# Altium PCB PCB2.PcbDoc (continued)
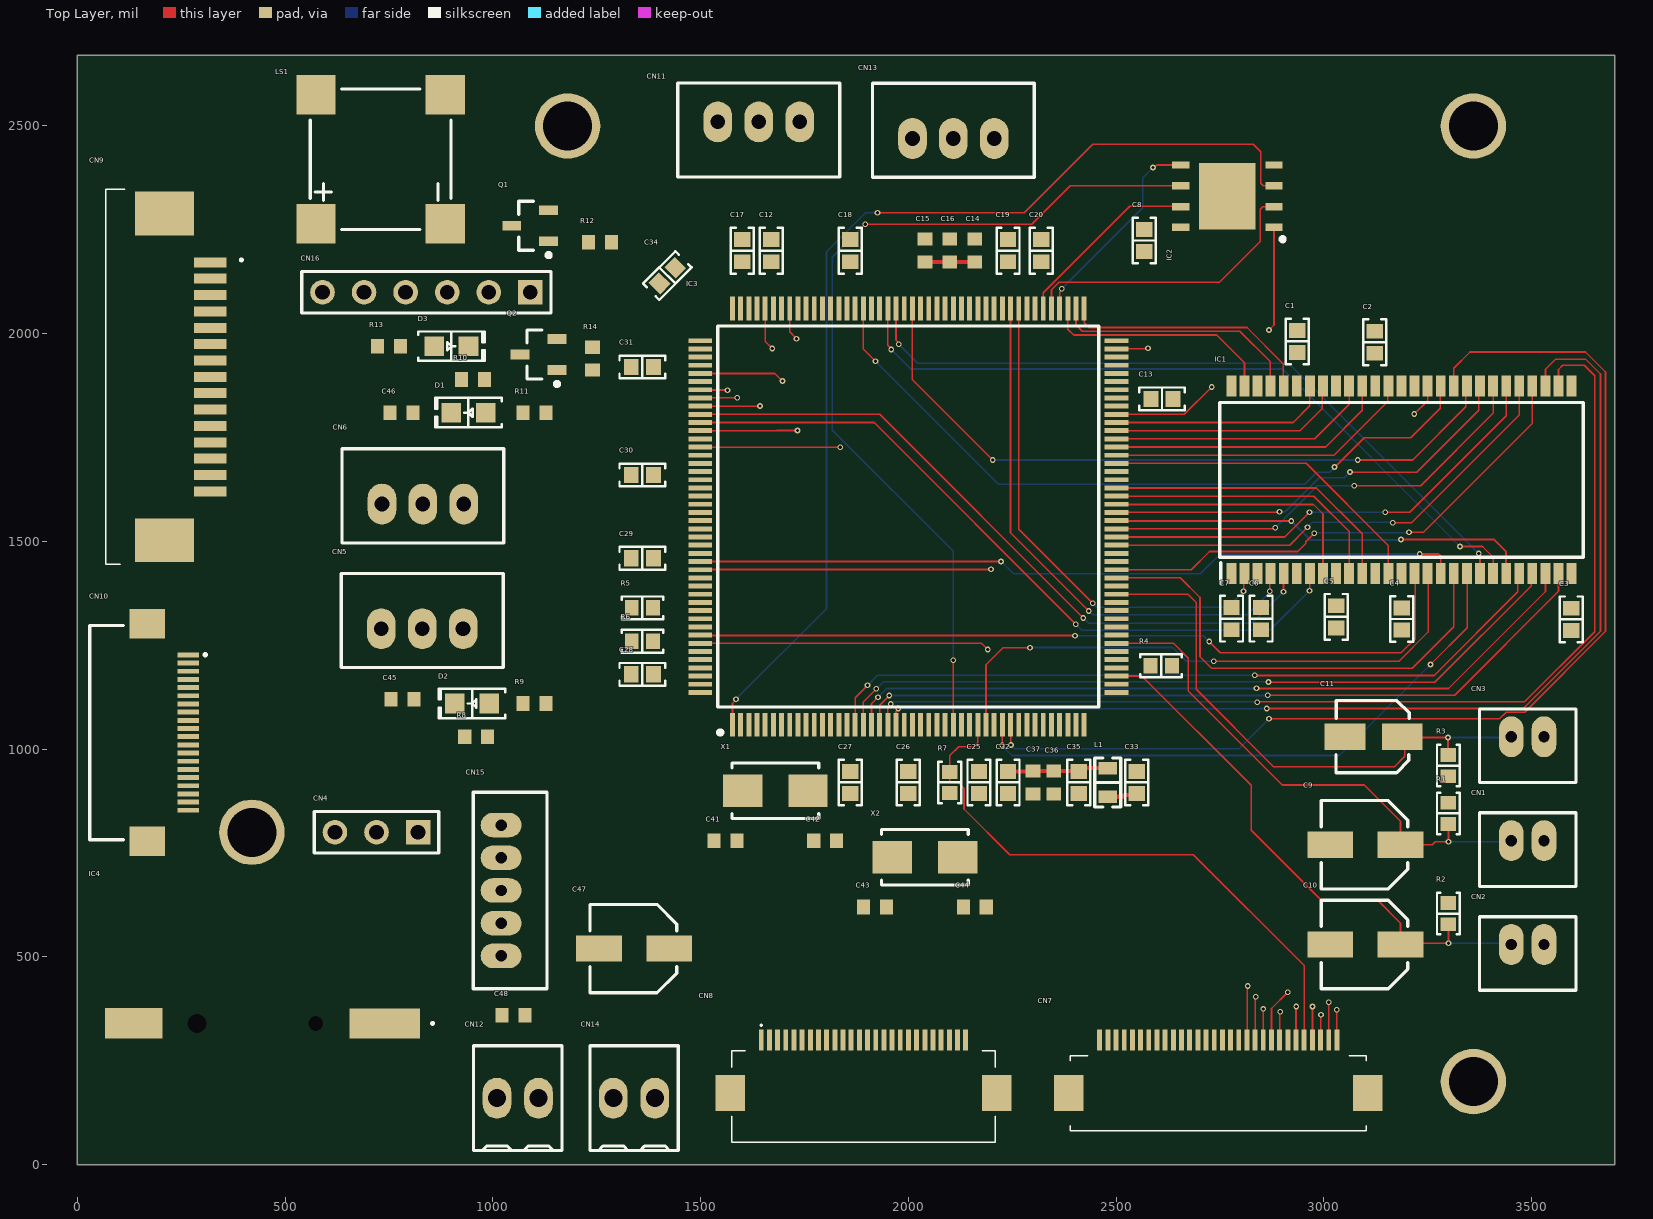
[diagram p0: Top Layer view]
## Part data (continued)
IC3: "Integrated Circuit", Manufacturer_Name=STMicroelectronics, Mouser Part Number=511-STM32F779IIT6, Arrow Part Number=STM32F779IIT6, Arrow Price/Stock=https://www.arrow.com/en/products/stm32f779iit6/stmicroelectronics?region=nac, Datasheet Link=https://www.arrow.com/en/products/stm32f779iit6/stmicroelectronics, Height=1.6mm, Manufacturer_Part_Number=STM32F779IIT6, Mouser Price/Stock=https://www.mouser.co.uk/ProductDetail/STMicroelectronics/STM32F779IIT6?qs=qzCNEk%252BRr%252BabClKc4EG9PA%3D%3D
IC4: "Integrated Circuit", Manufacturer_Name=ROBOTIS, Datasheet Link=https://www.robotics.org.za/CR1220-H-SMD, Height=4.1mm, Manufacturer_Part_Number=CR1220-H-SMD
L1: library part 744917127, "FIXED IND 27NH 780MA 200 MOHM", Current Rating (Amps)=780mA, DC Resistance (DCR)="200mOhm Max", Device Package="0603 (1608 Metric)", Frequency - Self Resonant=2.8GHz, Inductance=27nH, Inductance Frequency - Test=250MHz, manufacturer="Würth Elektronik", Operating Temperature="-40°C ~ 125°C", Q @ Freq="35 @ 250MHz", Supplier Part Number 1=732-11279-1-ND, Tolerance=±2%, componentlink1description=Datasheet, componentlink1url=https://katalog.we-online.de/pbs/datasheet/744917127.pdf, componentlink2description="DigiKey Link", componentlink2url=http://digikey.com/product-detail/en/w-rth-elektronik/744917127/732-11279-1-ND/6833738, Height - Seated (Max)="0.043\" (1.10mm)", lastupdated="9/6/2020 11:05:16 AM", Lifecycle Status=Active, Material - Core=Ceramic, Minimum Order=0, Mounting Type="Surface Mount", Package / Case="0603 (1608 Metric)", packaging=TapeAndReel, Part Number=744917127, Part Status=Active, partid=832, price=0.46, series="WE-KI HC", Shielding=Unshielded, Size / Dimension="0.067\" L x 0.043\" W (1.70mm x 1.10mm)", Supplier 1=DigiKey, Supplier Device Package="0603 (1608 Metric)", Type=Wirewound
LS1: "AUDIO MAGNETIC XDCR 2.5-4.5V SMD", Current - Supply=90mA, Frequency=2.7kHz, manufacturer="PUI Audio, Inc.", Operating Mode="Single Tone", Operating Temperature="-30°C ~ 70°C", Supplier Part Number 1=668-1072-1-ND, Voltage - Rated=3.6V, Voltage Range="2.5 ~ 4.5V", componentlink1description=Datasheet, componentlink1url=http://www.puiaudio.com/pdf/SMT-0827-S-2-R.pdf, componentlink2description="DigiKey Link", componentlink2url=http://digikey.com/product-detail/en/pui-audio-inc/SMT-0827-S-2-R/668-1072-1-ND/1464939, Driver Circuitry="Transducer, Externally Driven", Height - Seated (Max)="0.177\" (4.50mm)", Input Type="Zero-Peak Signal", lastupdated="4/24/2020 12:38:09 AM", Lifecycle Status=Active, Minimum Order=1, Mounting Type="Surface Mount", packaging=TapeAndReel, Part Number=SMT-0827-S-2-R, Part Status=Active, Port Location=Side, price=2.03, series=SMT, Size / Dimension="0.335\" L x 0.335\" W (8.50mm x 8.50mm)", Sound Pressure Level (SPL)="92dB @ 3.6V, 10cm", Supplier 1=DigiKey, Technology=Magnetic, Termination="Solder Pads"
Q1 Q2: library part MMBT3904TT1G, "TRANS NPN 40V 0.2A SOT416", Current - Collector (Ic) (Max)=200mA, DC Current Gain (hFE) (Min) @ Ic, Vce="100 @ 10mA, 1V", Frequency - Transition=300MHz, manufacturer="ON Semiconductor", Operating Temperature="-55°C ~ 150°C (TJ)", Package / Case="SC-75, SOT-416", Power - Max=300mW, Supplier Part Number 1=MMBT3904TT1GOSCT-ND, Voltage - Collector Emitter Breakdown (Max)=40V, componentlink1description=Datasheet, componentlink1url=https://www.onsemi.com/pub/Collateral/MMBT3904TT1-D.PDF, componentlink2description="DigiKey Link", componentlink2url=http://digikey.com/product-detail/en/on-semiconductor/MMBT3904TT1G/MMBT3904TT1GOSCT-ND/1139815, lastupdated="2/1/2023 9:06:25 PM", Lifecycle Status=Active, Minimum Order=1, Mounting Type="Surface Mount", packaging=TapeAndReel, Part Number=MMBT3904TT1G, Part Status=Active, partid=34, price=0.02, series=-, Supplier 1=DigiKey, Supplier Device Package="SC-75, SOT-416", Transistor Type=NPN, Vce Saturation (Max) @ Ib, Ic="300mV @ 5mA, 50mA"
R1 R2: library part RS73G1JTTD4701B, "RES 4.7K OHM 0.1% 1/5W 0603", Device Package="0603 (1608 Metric)", manufacturer="KOA Speer Electronics, Inc.", Operating Temperature="-55°C ~ 155°C", Power (Watts)="0.2W, 1/5W", Ratings=AEC-Q200, Supplier Device Package=0603, Supplier Part Number 1=2019-RS73G1JTTD4701BCT-ND, Temperature Coefficient=±50ppm/°C, Tolerance=±0.1%, componentlink1description=Datasheet, componentlink1url=http://www.koaspeer.com/pdfs/RS73.pdf, componentlink2description="DigiKey Link", componentlink2url=https://www.digikey.com/en/products/detail/koa-speer-electronics-inc/RS73G1JTTD4701B/11594383, Composition="Thick Film", Features="Automotive AEC-Q200, Moisture Resistant", Height - Seated (Max)="0.022\" (0.55mm)", lastupdated="4/17/2023 7:36:04 PM", Lifecycle Status=Active, Minimum Order=1, Number of Terminations=2, Package / Case="0603 (1608 Metric)", packaging=TapeAndReel, Part Number=RS73G1JTTD4701B, Part Status=Active, partid=56376, price=0.08, Resistance="4.7 kOhms", series=RS73, Size / Dimension="0.063\" L x 0.031\" W (1.60mm x 0.80mm)", Supplier 1=DigiKey
R3: library part RS73G1JTTD2201B, "RES 2.2K OHM 0.1% 1/5W 0603", Device Package="0603 (1608 Metric)", manufacturer="KOA Speer Electronics, Inc.", Operating Temperature="-55°C ~ 155°C", Power (Watts)="0.2W, 1/5W", Ratings=AEC-Q200, Supplier Device Package=0603, Supplier Part Number 1=2019-RS73G1JTTD2201BCT-ND, Temperature Coefficient=±50ppm/°C, Tolerance=±0.1%, componentlink1description=Datasheet, componentlink1url=https://www.koaspeer.com/pdfs/RS73.pdf, componentlink2description="DigiKey Link", componentlink2url=https://www.digikey.com/en/products/detail/koa-speer-electronics-inc/RS73G1JTTD2201B/11592705, Composition="Thick Film", Features="Automotive AEC-Q200, Moisture Resistant", Height - Seated (Max)="0.022\" (0.55mm)", lastupdated="4/17/2023 7:35:13 PM", Lifecycle Status=Active, Minimum Order=1, Number of Terminations=2, Package / Case="0603 (1608 Metric)", packaging=TapeAndReel, Part Number=RS73G1JTTD2201B, Part Status=Active, partid=70678, price=0.08, Resistance="2.2 kOhms", series=RS73, Size / Dimension="0.063\" L x 0.031\" W (1.60mm x 0.80mm)", Supplier 1=DigiKey
R4 R5 R6 R7: library part RC0603FR-7W10KL, "RES 10K OHM 1% 1/5W 0603", Device Package="0603 (1608 Metric)", manufacturer=Yageo, Operating Temperature="-55°C ~ 155°C", Power (Watts)="0.2W, 1/5W", Resistance="10 kOhms", Supplier Device Package=0603, Supplier Part Number 1=13-RC0603FR-7W10KLCT-ND, Temperature Coefficient=±200ppm/°C, Tolerance=±1%, componentlink1description=Datasheet, componentlink1url=https://www.yageo.com/upload/media/product/productsearch/datasheet/rchip/PYu-RC_Group_51_RoHS_L_11.pdf, componentlink2description="DigiKey Link", componentlink2url=https://www.digikey.com/en/products/detail/yageo/RC0603FR-7W10KL/12698809, Composition="Thick Film", Features="Moisture Resistant", Height - Seated (Max)="0.022\" (0.55mm)", lastupdated="4/8/2023 7:28:57 PM", Lifecycle Status=Active, Minimum Order=1, Number of Terminations=2, Package / Case="0603 (1608 Metric)", packaging=CutTape, Part Number=RC0603FR-7W10KL, Part Status=Active, partid=67088, price=0.01, series=RC_L, Size / Dimension="0.063\" L x 0.031\" W (1.60mm x 0.80mm)", Supplier 1=DigiKey
R8 R9 R10 R11 R12 R13 R14: "Resistor", LatestRevisionDate=17-Jul-2002, LatestRevisionNote="Re-released for DXP Platform.", PackageDescription="Axial Device, Thru-Hole; 2 Leads; 0.3 in Pin Spacing", PackageReference=AXIAL-0.3, Published=8-Jun-2000, Publisher="Altium Limited"
X1: library part NX5032GA-25.000000MHZ-LN-CD-1, "CRYSTAL 25.0000MHZ 8PF SMD", ESR (Equivalent Series Resistance)="70 Ohms", Frequency="25 MHz", Frequency Stability=±50ppm, Load Capacitance=8pF, manufacturer="NDK America, Inc.", Operating Mode=Fundamental, Operating Temperature="-10°C ~ 70°C", Package / Case="2-SMD, No Lead", Supplier Part Number 1=644-1041-1-ND, componentlink1description=Datasheet, componentlink1url=//media.digikey.com/pdf/Data%20Sheets/NDK%20PDFs/NX5032GA.pdf, componentlink2description="DigiKey Link", componentlink2url=https://www.digikey.com/en/products/detail/ndk-america-inc/NX5032GA-25-000000MHZ-LN-CD-1/1128823, Frequency Tolerance=±50ppm, Height - Seated (Max)="0.059\" (1.50mm)", lastupdated="3/28/2023 8:00:45 PM", Lifecycle Status=Active, Minimum Order=1, Mounting Type="Surface Mount", packaging=TapeAndReel, Part Number=NX5032GA-25.000000MHZ-LN-CD-1, Part Status=Active, partid=621, price=0.28, series=NX5032GA, Size / Dimension="0.197\" L x 0.126\" W (5.00mm x 3.20mm)", Supplier 1=DigiKey, Type="MHz Crystal"
X2: library part NX5032GA-25.000000MHZ-LN-CD-1, "CRYSTAL 25.0000MHZ 8PF SMD", ESR (Equivalent Series Resistance)="70 Ohms", Frequency Stability=±50ppm, Load Capacitance=8pF, manufacturer="NDK America, Inc.", Operating Mode=Fundamental, Operating Temperature="-10°C ~ 70°C", Package / Case="2-SMD, No Lead", Supplier Part Number 1=644-1041-1-ND, componentlink1description=Datasheet, componentlink1url=//media.digikey.com/pdf/Data%20Sheets/NDK%20PDFs/NX5032GA.pdf, componentlink2description="DigiKey Link", componentlink2url=https://www.digikey.com/en/products/detail/ndk-america-inc/NX5032GA-25-000000MHZ-LN-CD-1/1128823, Frequency="25 MHz", Frequency Tolerance=±50ppm, Height - Seated (Max)="0.059\" (1.50mm)", lastupdated="3/28/2023 8:00:45 PM", Lifecycle Status=Active, Minimum Order=1, Mounting Type="Surface Mount", packaging=TapeAndReel, Part Number=NX5032GA-25.000000MHZ-LN-CD-1, Part Status=Active, partid=621, price=0.28, series=NX5032GA, Size / Dimension="0.197\" L x 0.126\" W (5.00mm x 3.20mm)", Supplier 1=DigiKey, Type="MHz Crystal"

## Free pads (board coordinates)
  round 157.48 hole 118.11: 2(3360,200) 3(3360,2500) 4(1180,2500) 5(420,800)

## Via types
v1: diameter 13.78, hole 7.87, Top Layer to Bottom Layer, 83 vias

## Nets (pads, with @x,y where several pads share a name; then routed paths per layer and width w, separated by ;. In a path a pad name is that pad's centre, name@x,y a point inside that pad or via, vN(x,y) a via of type N, cw(c..) or ccw(c..) an arc to the next point about the centre after c; other vN are vias at no path point)
3V3: C1.2 C2.2 C3.2 C4.2 C5.2 C6.2 C7.2 C8.2 C17.2 C18.2 C19.2 C20.2 C21.2 C22.2 C23.2 C24.2 C25.2 C26.2 C27.2 C28.2 C29.2 C30.2 C31.2 C33.2 C34.2 C47.1 CN4.1 CN5.1 CN6.1 CN9.14 CN9.15 CN10.1 CN11.1 CN13.1 CN14.1 CN16.1 IC1.1 IC1.3 IC1.9 IC1.14 IC1.27 IC1.43 IC1.49 IC2.8 IC3.15 IC3.23 IC3.36 IC3.49 IC3.62 IC3.72 IC3.82 IC3.96 IC3.99 IC3.118 IC3.131 IC3.136 IC3.149 IC3.159 IC3.172 L1.2 LS1.+ R1.2 R2.2 R3.2 R6.1 R7.2 R8.1 R9.1 R10.1 R11.1 R13.1 | length 86.1
  Top Layer w10: C18.2@1852.36,2165.79 C18.2 ; L1.2 2515.55,885.55 2520,890 2550,890 C33.2
5V: C48.1 CN12.1 CN15.2
\C\A\S\: IC1.17 IC3.160 | length 1859.3
  Top Layer w4: IC3.160 1499.15,1451.87 2222.87,1451.87 v1(2223,1452) ; v1(3231,1470) 3277,1470 3281.46,1465.54 IC1.17
  Bottom Layer w4: v1(2223,1452) 2253,1422 2703,1422 2751,1470 v1(3231,1470)
\C\S\: IC1.19 IC3.34 | length 1437.7
  Top Layer w4: v1(2226,1009) 2226.19,1009.19 2226.19,1058.83 IC3.34 ; v1(3257,1204) 3345,1292 3345,1419 3344.46,1419.54 IC1.19
  Bottom Layer w4: v1(2226,1009) 2226,1008.68 2249.68,985 3038,985 v1(3257,1204)
\R\A\S\: IC1.18 IC3.59 | length 1154.8
  Top Layer w4: IC3.59 2654.64,1412.36 2702,1365 2702,1222.68 2729.68,1195 3213,1195 3312.96,1294.96 IC1.18
\W\E\: IC1.16 IC3.32 | length 1421.2
  Top Layer w4: IC3.32 2187.01,1203.01 2228,1244 v1(2293,1244) ; v1(2735,1212) 3181,1212 3251,1282 3251,1429 3249.97,1427.97 IC1.16
  Bottom Layer w4: v1(2293,1244) 2293.69,1244.69 2636.31,1244.69 2669,1212 v1(2735,1212)
A0: IC1.23 IC3.16 | length 1812.3
  Top Layer w4: IC3.16 1872.05,1124.05 v1(1902,1154) ; v1(2834,1178.05) 2834.52,1177.53 3265.53,1177.53 3467,1379 3467,1420 3470.44,1423.44 IC1.23
  Bottom Layer w4: v1(1902,1154) 1926,1178 v1(2834,1178.05) v1(2834,1178.05)
A1: IC1.24 IC3.17 | length 1810.1
  Top Layer w4: IC3.17 1891.73,1113.73 1922.95,1144.95 v1(1922.95,1145.27) ; v1(2867,1161.75) 2867.75,1161 3267,1161 3499,1393 3499,1420 3501.94,1422.94 IC1.24
  Bottom Layer w4: v1(1922.95,1145.27) 1923.27,1145.27 1940.27,1162.27 2866.48,1162.27 v1(2867,1161.75)
A2: IC1.25 IC3.18 | length 1828.3
  Top Layer w4: IC3.18 1911.42,1109.42 v1(1927,1125) ; v1(2838.29,1146.49) 2838.81,1145.97 3299.97,1145.97 3533.43,1379.43 IC1.25
  Bottom Layer w4: v1(1927,1125) 1947.97,1145.97 2837.77,1145.97 v1(2838.29,1146.49)
A3: IC1.26 IC3.19 | length 1837.7
  Top Layer w4: IC3.19 1931.1,1106.1 1953.94,1128.94 v1(1953.94,1129.29) ; v1(2864.93,1130.14) 3315.14,1130.14 3564.93,1379.93 IC1.26
  Bottom Layer w4: v1(1953.94,1129.29) 1954.11,1129.12 2863.91,1129.12 v1(2864.93,1130.14)
A4: IC1.29 IC3.20 | length 2577.2
  Top Layer w4: IC3.20 1950.79,1098.91 1954.26,1102.39 1954.26,1102.73 1957.88,1106.35 v1(1957.88,1109) ; v1(2840,1113.34) 2840.66,1114 3483,1114 3652,1283 3652,1899 3627,1924 3575,1924 3564.93,1913.93 IC1.29
  Bottom Layer w4: v1(1957.88,1109) 1960.11,1109 1965.12,1114 2839.34,1114 v1(2840,1113.34)
A5: IC1.30 IC3.21 | length 2625.9
  Top Layer w4: IC3.21 1970.47,1091.36 1975.52,1096.41 v1(1975.52,1098.22) ; v1(2863,1098) 3479.73,1098 3666,1284.27 3666,1903 3630,1939 3558,1939 3533.43,1914.43 IC1.30
  Bottom Layer w4: v1@1975.74,1098 2413.07,1098 2413.51,1097.56 2846.54,1097.56 2846.97,1098 v1(2863,1098)
A6: IC1.31 IC3.60 | length 1241.5
  Top Layer w4: IC3.60 2681.05,1432.05 2725,1476 2937,1476 2956.17,1495.17 2956.17,1498.95 v1(2977.22,1520) ; v1(3205,1522) 3240,1522 3501.94,1783.94 IC1.31
  Bottom Layer w4: v1(2977.22,1520) 2978,1520 2982,1524 2985,1521 3204,1521 v1(3205,1522)
A7: IC1.32 IC3.63 | length 1169.7
  Top Layer w4: IC3.63 2917.78,1491.1 v1(2960.78,1534.1) ; v1(3166,1545) 3211,1545 3470.44,1804.44 IC1.32
  Bottom Layer w4: v1(2960.78,1534.1) 2972.68,1546 3165,1546 v1(3166,1545)
A8: IC1.33 IC3.64 | length 1130.1
  Top Layer w4: IC3.64 2905.79,1510.79 v1(2965.66,1570.66) ; v1(3148.09,1570.64) 3206.64,1570.64 3438.94,1802.94 IC1.33
  Bottom Layer w4: v1@2965.67,1570.65 v1(3148.09,1570.64)
A9: IC1.34 IC3.65 | length 1089.8
  Top Layer w4: IC3.65 2877.83,1530.47 2880.35,1533 v1(2883,1533) ; v1(3073.33,1634.3) 3233.3,1634.3 3407.45,1808.45 IC1.34
  Mid Layer 2 w4: v1(2883,1533) v1@2884.87,1534.87
  Bottom Layer w4: v1(2883,1533) 2984.3,1634.3 v1(3073.33,1634.3)
A10: IC1.22 IC3.66 | length 1022.2
  Top Layer w5: IC3.66 2501.56,1549.58 2921.42,1549.58 v1(2921.84,1549.16) ; v1(3186,1505) 3409,1505 3438.94,1475.06 IC1.22
  Bottom Layer w5: v1(2921.84,1549.16) 2967.28,1503.72 3184.72,1503.72 v1(3186,1505)
A11: IC1.35 IC3.67 | length 1034.1
  Top Layer w4: IC3.67 2501.56,1570.42 2892.59,1570.42 v1(2893.59,1571.41) ; v1(3063,1667) 3224,1667 3373,1816 3373,1871.07 IC1.35
  Mid Layer 2 w4: v1(2893.59,1571.41) v1@2894.41,1571.41
  Bottom Layer w4: v1(2893.59,1571.41) 2907.41,1571.41 2989,1653 3049,1653 v1(3063,1667)
A12: IC1.36 IC3.110 | length 1697.3
  Top Layer w4: IC3.110 2009.84,1889.16 v1(2203,1696) ; v1(3082,1696) 3214,1696 3342,1824 3342,1865 3351,1874 IC1.36
  Bottom Layer w4: v1(2203,1696) v1(3082,1696)
BA0: IC1.20 IC3.112 | length 1742.7
  Top Layer w4: IC3.112 1970.47,1984.17 1977,1977.65 v1(1977,1975) ; v1(3373,1471) 3375.95,1468.05 IC1.20
  Bottom Layer w4: v1(1977,1975) 2023,1929 2915,1929 v1(3373,1471)
BA1: IC1.21 IC3.113 | length 1797.3
  Top Layer w4: IC3.113 1950.79,1972.02 1959,1963.8 v1(1959,1962) ; v1(3328,1488) 3382,1488 3407.45,1462.55 IC1.21
  Bottom Layer w4: v1(1959,1962) 2006,1915 2901,1915 v1(3328,1488)
BED: CN8.7 IC3.26
BED_TEMP: C11.1 CN3.1 IC3.57 R3.1 | length 1349.8
  Top Layer w4: IC3.57 2673.01,1372.99 2693,1353 2693,1144 2879,958 3170,958 3195,983 3195,1023.9 3190.9,1028 v1(3299,1028) 3299,989 3301,987 R3.1
  Bottom Layer w4: v1(3299,1028) 3449.26,1028 CN3.1
BUZZER: IC3.132 R12.1
C_VSYNC: CN10.5 IC3.152
CKE: IC1.37 IC3.35 | length 2669.7
  Top Layer w4: IC3.35 2246.53,1058.55 2246.53,1010.47 v1(2247,1010) ; v1(2868,1073) 3422.92,1073 3438.92,1089 3483.46,1089 3678,1283.54 3678,1908 3630,1956 3352,1956 3313,1917 IC1.37
  Bottom Layer w4: v1(2247,1010) 2247.23,1010 2256.23,1001 2796,1001 v1(2868,1073)
CLK: IC1.38 IC3.116 | length 1753.7
  Top Layer w4: IC3.116 1891.73,1963.27 v1(1921,1934) ; v1(3026,1679) 3097,1750 3209,1750 3280,1821 3280,1872 IC1.38@3282.02,1874.02 ; IC1.38 IC1.38@3282.02,1874.02 ; IC1.38@3284,1876 IC1.38@3282.02,1874.02
  Bottom Layer w4: v1(1921,1934) 2217,1638 2954,1638 2983,1667 3014,1667 v1(3026,1679)
CLKN: CN9.5 IC3.105
CLKP: CN9.6 IC3.104
CS: IC2.1 IC3.79 | length 703.1
  Top Layer w4: IC3.79 2664.06,1806.06 v1(2730,1872) ; v1(2868,2009) 2880,2021 2880,2255 2880.2,2255.2 IC2.1
  Mid Layer 1 w4: v1(2730,1872) 2730.5,1872 2867.5,2009 v1(2868,2009)
D0N: CN9.8 IC3.102
D0P: CN9.9 IC3.101
D1N: CN9.2 IC3.108
D1P: CN9.3 IC3.107
DIAG: CN8.25 IC3.168
DIR1: CN8.10 IC3.2
DIR2: CN8.12 IC3.8
DIR3: CN8.14 IC3.12
DIR4: CN8.16 IC3.43
DIR5: CN8.18 IC3.58
DOUT0: CN10.20 IC3.124
DOUT1: CN10.19 IC3.120
DOUT2: CN10.16 IC3.153
DOUT3: CN10.15 IC3.154
DOUT4: CN10.14 IC3.3
DOUT5: CN10.13 IC3.145
DOUT6: CN10.12 IC3.4
DOUT7: CN10.11 IC3.5
DOUT8: CN10.10 IC3.133
DOUT9: CN10.9 IC3.84
DQ0: IC1.2 IC3.97 | length 1210.1
  Top Layer w4: IC3.97 2265.75,1529.25 v1(2444,1351) ; v1(2807,1380) 2807,1421 IC1.2@2808,1422
  Top Layer w5: IC1.2@2808,1422 IC1.2
  Bottom Layer w4: v1(2444,1351) 2444.23,1351 2453.23,1342 2769,1342 v1(2807,1380)
DQ1: IC1.4 IC3.98 | length 1313.8
  Top Layer w4: IC3.98 2246.06,1520.92 v1(2434.17,1332.82) ; v1(2870,1380) 2870,1420.98 IC1.4
  Bottom Layer w4: v1(2434.17,1332.82) 2434.76,1332.82 2443.58,1324 2816,1324 2870,1378 v1(2870,1380)
DQ2: IC1.5 IC3.142 | length 1690.1
  Top Layer w4: IC3.142 1930.94,1806.06 v1(2421,1316) ; v1(2903,1379) IC1.5@2903,1424
  Top Layer w5: IC1.5@2903,1424 2903.51,1423.49 IC1.5
  Bottom Layer w4: v1(2421,1316) 2434,1303 2827,1303 v1(2903,1379)
DQ3: IC1.7 IC3.143 | length 1755.4
  Top Layer w4: IC3.143 1917.62,1786.38 v1(2403,1301) ; v1(2965.4,1381.11) 2966.5,1382.21 IC1.7
  Bottom Layer w4: v1(2403,1301) 2418,1286 2870.29,1286 v1(2965.4,1381.11)
DQ4: IC1.8 IC3.68 | length 649.8
  Top Layer w4: IC3.68 2513.47,1589.53 2514,1589 2975,1589 2998,1566 IC1.8
DQ5: IC1.10 IC3.69 | length 696.3
  Top Layer w4: IC3.69 2975.79,1609.21 3060.99,1524.01 IC1.10
DQ6: IC1.11 IC3.70 | length 732.7
  Top Layer w4: IC3.70 2982.1,1628.9 3092.49,1518.51 IC1.11
DQ7: IC1.13 IC3.73 | length 803.8
  Top Layer w4: IC3.73 2958.05,1687.95 3155.48,1490.52 IC1.13
DQ8: IC1.42 IC3.74 | length 744.2
  Top Layer w4: IC3.74 3024.64,1707.64 3154,1837 3154,1872.54 IC1.42
DQ9: IC1.44 IC3.75 | length 686.6
  Top Layer w4: IC3.75 3004.32,1727.32 3092.49,1815.49 IC1.44
DQ10: IC1.45 IC3.76 | length 638.4
  Top Layer w4: IC3.76 2978.01,1747.01 3060.99,1829.99 IC1.45
DQ11: IC1.47 IC3.77 | length 574.8
  Top Layer w4: IC3.77 2942.69,1766.69 2996,1820 2996,1870 3000,1874 IC1.47
DQ12: IC1.48 IC3.78 | length 529.7
  Top Layer w4: IC3.78 2926.38,1786.38 2966.5,1826.5 IC1.48
DQ13: IC1.50 IC3.89 | length 610.2
  Top Layer w4: IC3.89 2423.23,2026.77 2435,2015 2815,2015 2902,1928 2902,1888 2900,1886 2903.51,1882.49 IC1.50
DQ14: IC1.51 IC3.90 | length 603
  Top Layer w4: IC3.90 2403.54,2021.46 2419,2006 2798,2006 2871,1933 2871,1882 2872.02,1880.98 IC1.51
DQ15: IC1.53 IC3.91 | length 565.9
  Top Layer w4: IC3.91 2383.86,2011.14 2398,1997 2742,1997 2809,1930 2809,1875 2809.98,1874.02 IC1.53
DQMH: IC1.39 IC3.170 | length 2246.9
  Top Layer w4: IC3.170 2176.12,1254.88 v1(2191,1240) ; v1(3218,1807) 3249.97,1838.97 IC1.39
  Mid Layer 1 w4: v1(2191,1240) 2202.78,1228.22 2975.22,1228.22 3116,1369 3116,1705 v1(3218,1807)
DQML: IC1.15 IC3.169 | length 1918.3
  Top Layer w4: IC3.169 1499.8,1273.78 2400.22,1273.78 v1(2401,1273) ; v1(2724,1259) 2751,1232 3186,1232 3220,1266 3220,1423 IC1.15@3218.47,1424.53 ; IC1.15@3215,1428 IC1.15@3218.47,1424.53 ; IC1.15 IC1.15@3218.47,1424.53
  Bottom Layer w4: v1(2401,1273) 2710,1273 v1(2724,1259)
DSI_VDD12: C14.1 C15.1 C16.1 IC3.100 IC3.106 | length 122.8
  Top Layer w10: C15.1 2040,2170 2042.44,2172.44 C16.1@2099.33,2172.44 ; C16.1 C14.1
E0: CN11.3 IC3.115
E1: CN13.3 IC3.114
ENN: CN8.24 IC3.162
ENRST: CN7.5 CN16.5 IC3.31 R7.1 | length 1430.9
  Top Layer w4: IC3.31 2167.32,1015.32 2158,1006 2121,1006 2100,985 R7.1 2100,922.34 2102.34,920 2119.74,920 2134,905.74 2134,856 2244,746 2686,746 2952.76,479.24 CN7.5
ET_JTCK: CN7.4 CN16.2 IC3.137 | length 2749.8
  Top Layer w4: IC3.137 1678.51,1904.49 v1(1697,1886) ; CN7.4 2972.72,300.28 2972.72,380.72 v1(2973,381)
  Mid Layer 2 w4: v1(1697,1886) 2430,1886 2973,1343 v1(2973,381)
ET_JTMS: CN7.3 CN16.4 IC3.128 | length 2895.3
  Top Layer w4: IC3.128 1655.51,1981.41 v1(1672.22,1964.7) ; CN7.3 2992.56,300.44 2992.56,360.56 v1(2993,361)
  Mid Layer 2 w4: v1(1672.22,1964.7) 1736.92,1900 2727,1900 2993,1634 v1(2993,361)
ET_SWO: CN7.6 CN16.6 IC3.161 | length 2426.3
  Top Layer w4: IC3.161 1499.49,1432.52 2198.52,1432.52 v1(2199,1433) ; CN7.6 2933.07,380.2 v1(2933.83,380.96)
  Mid Layer 2 w4: v1(2199,1433) 2691,1433 2933.83,1190.17 v1(2933.83,380.96)
FAN: CN8.2 IC3.119
FHE0: CN8.3 IC3.163
FHE1: CN8.4 IC3.56
FS_DM_N: CN7.16 IC3.126
FS_DM_P: CN7.17 IC3.127
GND: C1.1 C2.1 C3.1 C4.1 C5.1 C6.1 C7.1 C8.1 C9.2 C10.2 C11.2 C12.1 C13.1 C14.2 C15.2 C16.2 C17.1 C18.1 C19.1 C20.1 C21.1 C22.1 C23.1 C24.1 C25.1 C26.1 C27.1 C28.1 C29.1 C30.1 C31.1 C32.1 C33.1 C34.1 C35.1 C36.2 C37.2 C41.2 C42.2 C43.2 C44.2 C45.2 C46.2 C47.2 C48.2 CN1.2 CN2.2 CN3.2 CN5.3 CN6.3 CN7.7 CN7.15 CN7.18 CN7.28 CN7.MP1 CN7.MP2 CN8.8 CN8.19 CN8.26 CN8.MP1 CN8.MP2 CN9.1 CN9.4 CN9.7 CN9.10 CN9.13 CN9.MP1 CN9.MP2 CN10.2 CN11.2 CN12.2 CN13.2 CN14.2 CN15.1 CN15.4 CN16.3 IC1.6 IC1.12 IC1.28 IC1.41 IC1.46 IC1.52 IC1.54 IC2.4 IC2.9 IC3.14 IC3.22 IC3.37 IC3.61 IC3.71 IC3.95 IC3.103 IC3.109 IC3.117 IC3.130 IC3.135 IC3.148 IC3.158 IC4.2 pad.2 pad.3 pad.4 pad.5 Q1.2 Q2.2 R4.2 R5.2
HE0: CN8.5 IC3.83
HE0_TEMP: C10.1 CN2.1 IC3.47 R2.1 | length 1362.7
  Top Layer w4: IC3.47 2561.86,1176.14 2825,913 2825,805 2995,635 3131,635 3184.65,581.35 C10.1 3187.65,533 v1(3300,533) R2.1
  Bottom Layer w4: v1(3300,533) 3451,533 CN2.1@3451.26,533.26 ; CN2.1 CN2.1@3451.26,533.26 ; CN2.1@3452,534 CN2.1@3451.26,533.26
HE1: CN8.6 IC3.88
HE1_TEMP: C9.1 CN1.1 IC3.51 R1.1 | length 1277.5
  Top Layer w4: IC3.51 2638.12,1254.88 2674.12,1218.88 2674.12,1140.01 2900.12,914 3097,914 3184.65,826.35 C9.1 3261,770 3268,777 v1(3300,777) R1.1
  Bottom Layer w4: v1(3300,777) 3448.26,777 CN1.1
HREF: CN10.6 IC3.50
LED: IC3.134 R14.1
NetC12_2: C12.2 IC3.129
NetC13_2: C13.2 IC3.81
NetCN4_2: CN4.2 IC3.6
NetCN4_3: CN4.3 IC4.1
NetD1_1: D1.1 R11.2
NetD2_1: D2.1 R9.2
NetD3_1: D3.1 R13.2
NetD3_2: D3.2 Q2.3
NetIC3_48: IC3.48 R4.1
NetIC3_166: IC3.166 R5.1
NetIC3_171: IC3.171 R6.2
NetLS1_-: LS1.- Q1.3
NetQ1_1: Q1.1 R12.2
NetQ2_1: Q2.1 R14.2
NZLF: CN8.1 IC3.27
OSC32_IN: C41.1 IC3.9 X1.1 | length 1.3
  Top Layer w5: X1.1@1600,900 X1.1
OSC32_OUT: C42.1 IC3.10 X1.2
OSC_IN: C43.1 IC3.29 X2.1
OSC_OUT: C44.1 IC3.30 X2.2
PCLK: CN10.7 IC3.52
PWDN: CN10.17 IC3.111
RMII_CRS_DV: CN7.25 IC3.53
RMII_MDC: CN7.23 IC3.33
RMII_MDIO: CN7.24 IC3.42
RMII_REF_CLK: CN7.22 IC3.41
RMII_RXD0: CN7.27 IC3.54
RMII_RXD1: CN7.26 IC3.55
RMII_TX_EN: CN7.21 IC3.80
RMII_TXD0: CN7.20 IC3.85
RMII_TXD1: CN7.19 IC3.86
RSV: CN10.18
S1: CN8.23 IC3.175
S2: CN8.22 IC3.174
S3: CN8.21 IC3.173
SCL: CN10.3 IC3.45
SCL1: CN9.11 IC3.164
SCLK: IC2.6 IC3.28 | length 2155.6
  Top Layer w4: v1(1896.31,2263.25) 2297.25,2263.25 2390,2356 IC2.6 ; v1(2108,1214) 2108.13,1213.87 2108.13,1059.15 IC3.28
  Bottom Layer w4: v1(1896.31,2263.25) 1817,2183.93 1817,1768 2108,1477 v1(2108,1214)
SDA1: CN9.12 IC3.165
SDATA: CN10.4 IC3.46
SIO0: IC2.5 IC3.92 | length 501.4
  Top Layer w4: IC3.92 2364.17,2100.53 2369,2105.35 v1(2369,2108) ; v1(2589,2400) 2591.65,2400 2597.65,2406 IC2.5
  Bottom Layer w4: v1(2369,2108) 2564,2303 2564,2375 v1(2589,2400)
SIO1: IC2.2 IC3.93 | length 709.2
  Top Layer w4: IC3.93 2344.49,2105.8 2362.46,2123.78 2748.78,2123.78 2847,2222 2847,2300 2853,2306 IC2.2
SIO2: IC2.3 IC3.1 | length 2502.1
  Top Layer w4: IC3.1 1576.77,1110 1585,1118.23 v1(1585,1120) ; v1(1926,2291) 2279,2291 2444,2456 2830,2456 2848,2438 2848,2362 2854,2356 IC2.3
  Bottom Layer w4: v1(1585,1120) 1803,1338 1803,2197 1897,2291 v1(1926,2291)
SIO3: IC2.7 IC3.94 | length 460
  Top Layer w4: IC3.94 2324.8,2098.85 2532.96,2307 2653,2307 2655.8,2309.8 IC2.7
SRV: CN15.3 IC3.167
STEP1: CN8.9 IC3.176
STEP2: CN8.11 IC3.7
STEP3: CN8.13 IC3.11
STEP4: CN8.15 IC3.13
STEP5: CN8.17 IC3.44
UART: CN8.20 IC3.40
uSD_CLK: CN7.12 IC3.141 | length 2395
  Top Layer w4: IC3.141 1499.14,1825.87 1642.87,1825.87 v1(1643,1826) ; CN7.12 2815.98,301.02 2815.98,428.98 v1(2817,430)
  Mid Layer 2 w4: v1(1643,1826) 1643,1825 2101.22,1366.78 2507.22,1366.78 2817,1057 v1(2817,430)
uSD_CMD: CN7.11 IC3.144 | length 2386
  Top Layer w4: IC3.144 1683.33,1766.69 1683.63,1767 v1(1733,1767) ; CN7.11 2835.32,300.68 2835.32,403.32 v1(2836,404)
  Mid Layer 2 w4: v1(1733,1767) 2124.22,1375.78 2512.49,1375.78 2836,1052.27 v1(2836,404)
uSD_D0: CN7.13 IC3.121
uSD_D1: CN7.14 IC3.122
uSD_D2: CN7.9 IC3.139 | length 2601.5
  Top Layer w4: IC3.139 1499.57,1864.56 1564.44,1864.56 v1(1565,1864) ; CN7.9 2874.02,376.02 v1(2913,415)
  Mid Layer 2 w4: v1(1565,1864) 1745.68,1864 2192.46,1417.22 2688.78,1417.22 2913,1193 v1(2913,415)
uSD_D3: CN7.10 IC3.140 | length 2433.3
  Top Layer w4: IC3.140 1499.3,1845.72 1587.72,1845.72 v1(1588,1846) ; v1(2854,375) 2854.33,374.67 CN7.10
  Mid Layer 2 w4: v1(1588,1846) 1690,1846 2151.22,1384.78 2516.22,1384.78 2854,1047 v1(2854,375)
uSD_DETECT: CN7.8 IC3.146 | length 2508.5
  Top Layer w4: IC3.146 1499.26,1727.08 1835.6,1727.08 v1(1835.84,1726.84) ; CN7.8 2894.35,300.65 2894.35,367.35 v1(2895,368)
  Mid Layer 2 w4: v1(1835.84,1726.84) 2158.68,1404 2680,1404 2895,1189 v1(2895,368)
VCP_RX: CN7.2 IC3.125 | length 2851
  Top Layer w4: IC3.125 1714.57,2004.43 v1(1731,1988) ; CN7.2 3011.91,300.09 3011.91,390.91 v1(3012,391)
  Mid Layer 2 w4: v1(1731,1988) 1800.78,1918.22 2744.05,1918.22 3010.22,1652.05 3010.22,392.78 v1(3012,391)
VCP_TX: CN7.1 IC3.87 | length 2007.8
  Top Layer w4: IC3.87 2501.71,1964.27 2576.27,1964.27 v1(2577,1965) ; v1(3031,373) 3031.25,372.75 3031.25,300.25 CN7.1
  Mid Layer 2 w4: v1(2577,1965) 2710,1965 3031,1644 v1(3031,373)
VDDA: C32.2 C35.2 C36.1 C37.1 IC3.38 IC3.39 L1.1 | length 251.9
  Top Layer w10: C32.2 2299.02,946.57 C37.1 C36.1 2409.02,947.56 C35.2 2417.87,954.45 2474.45,954.45 2477.22,957.22 2480,960 L1.1
WIFI_RX: CN7.30 IC3.138
WIFI_TX: CN7.29 IC3.24
X_STOP: C45.1 CN5.2 D2.2 IC3.157 R8.2
XCLK: CN10.8 IC3.123
Y_STOP: C46.1 CN6.2 D1.2 IC3.156 R10.2
Z-: CN15.5 IC3.155
pads on no net: CN10.21 CN10.22 IC1.40 IC3.25 IC3.147 IC3.150 IC3.151 IC4.MH1 IC4.MH2 LS1.NC

## Silkscreen, mask and mechanical layers (free items; w line width, h text height)
Mechanical 1:
  lines w10: 0,0 0,2170 0,2670 3700,2670 3700,1880 3700,1360 3700,1180 3700,720 3700,100 3700,0 3020,0 1500,0 900,0 470,0 0,0

## Dimensions
0,2670 to 3700,2670 on Mechanical 13
3700,2670 to 3700,0 on Mechanical 13